# KiCad board LI-ION_Charger.kicad_pcb (continued)
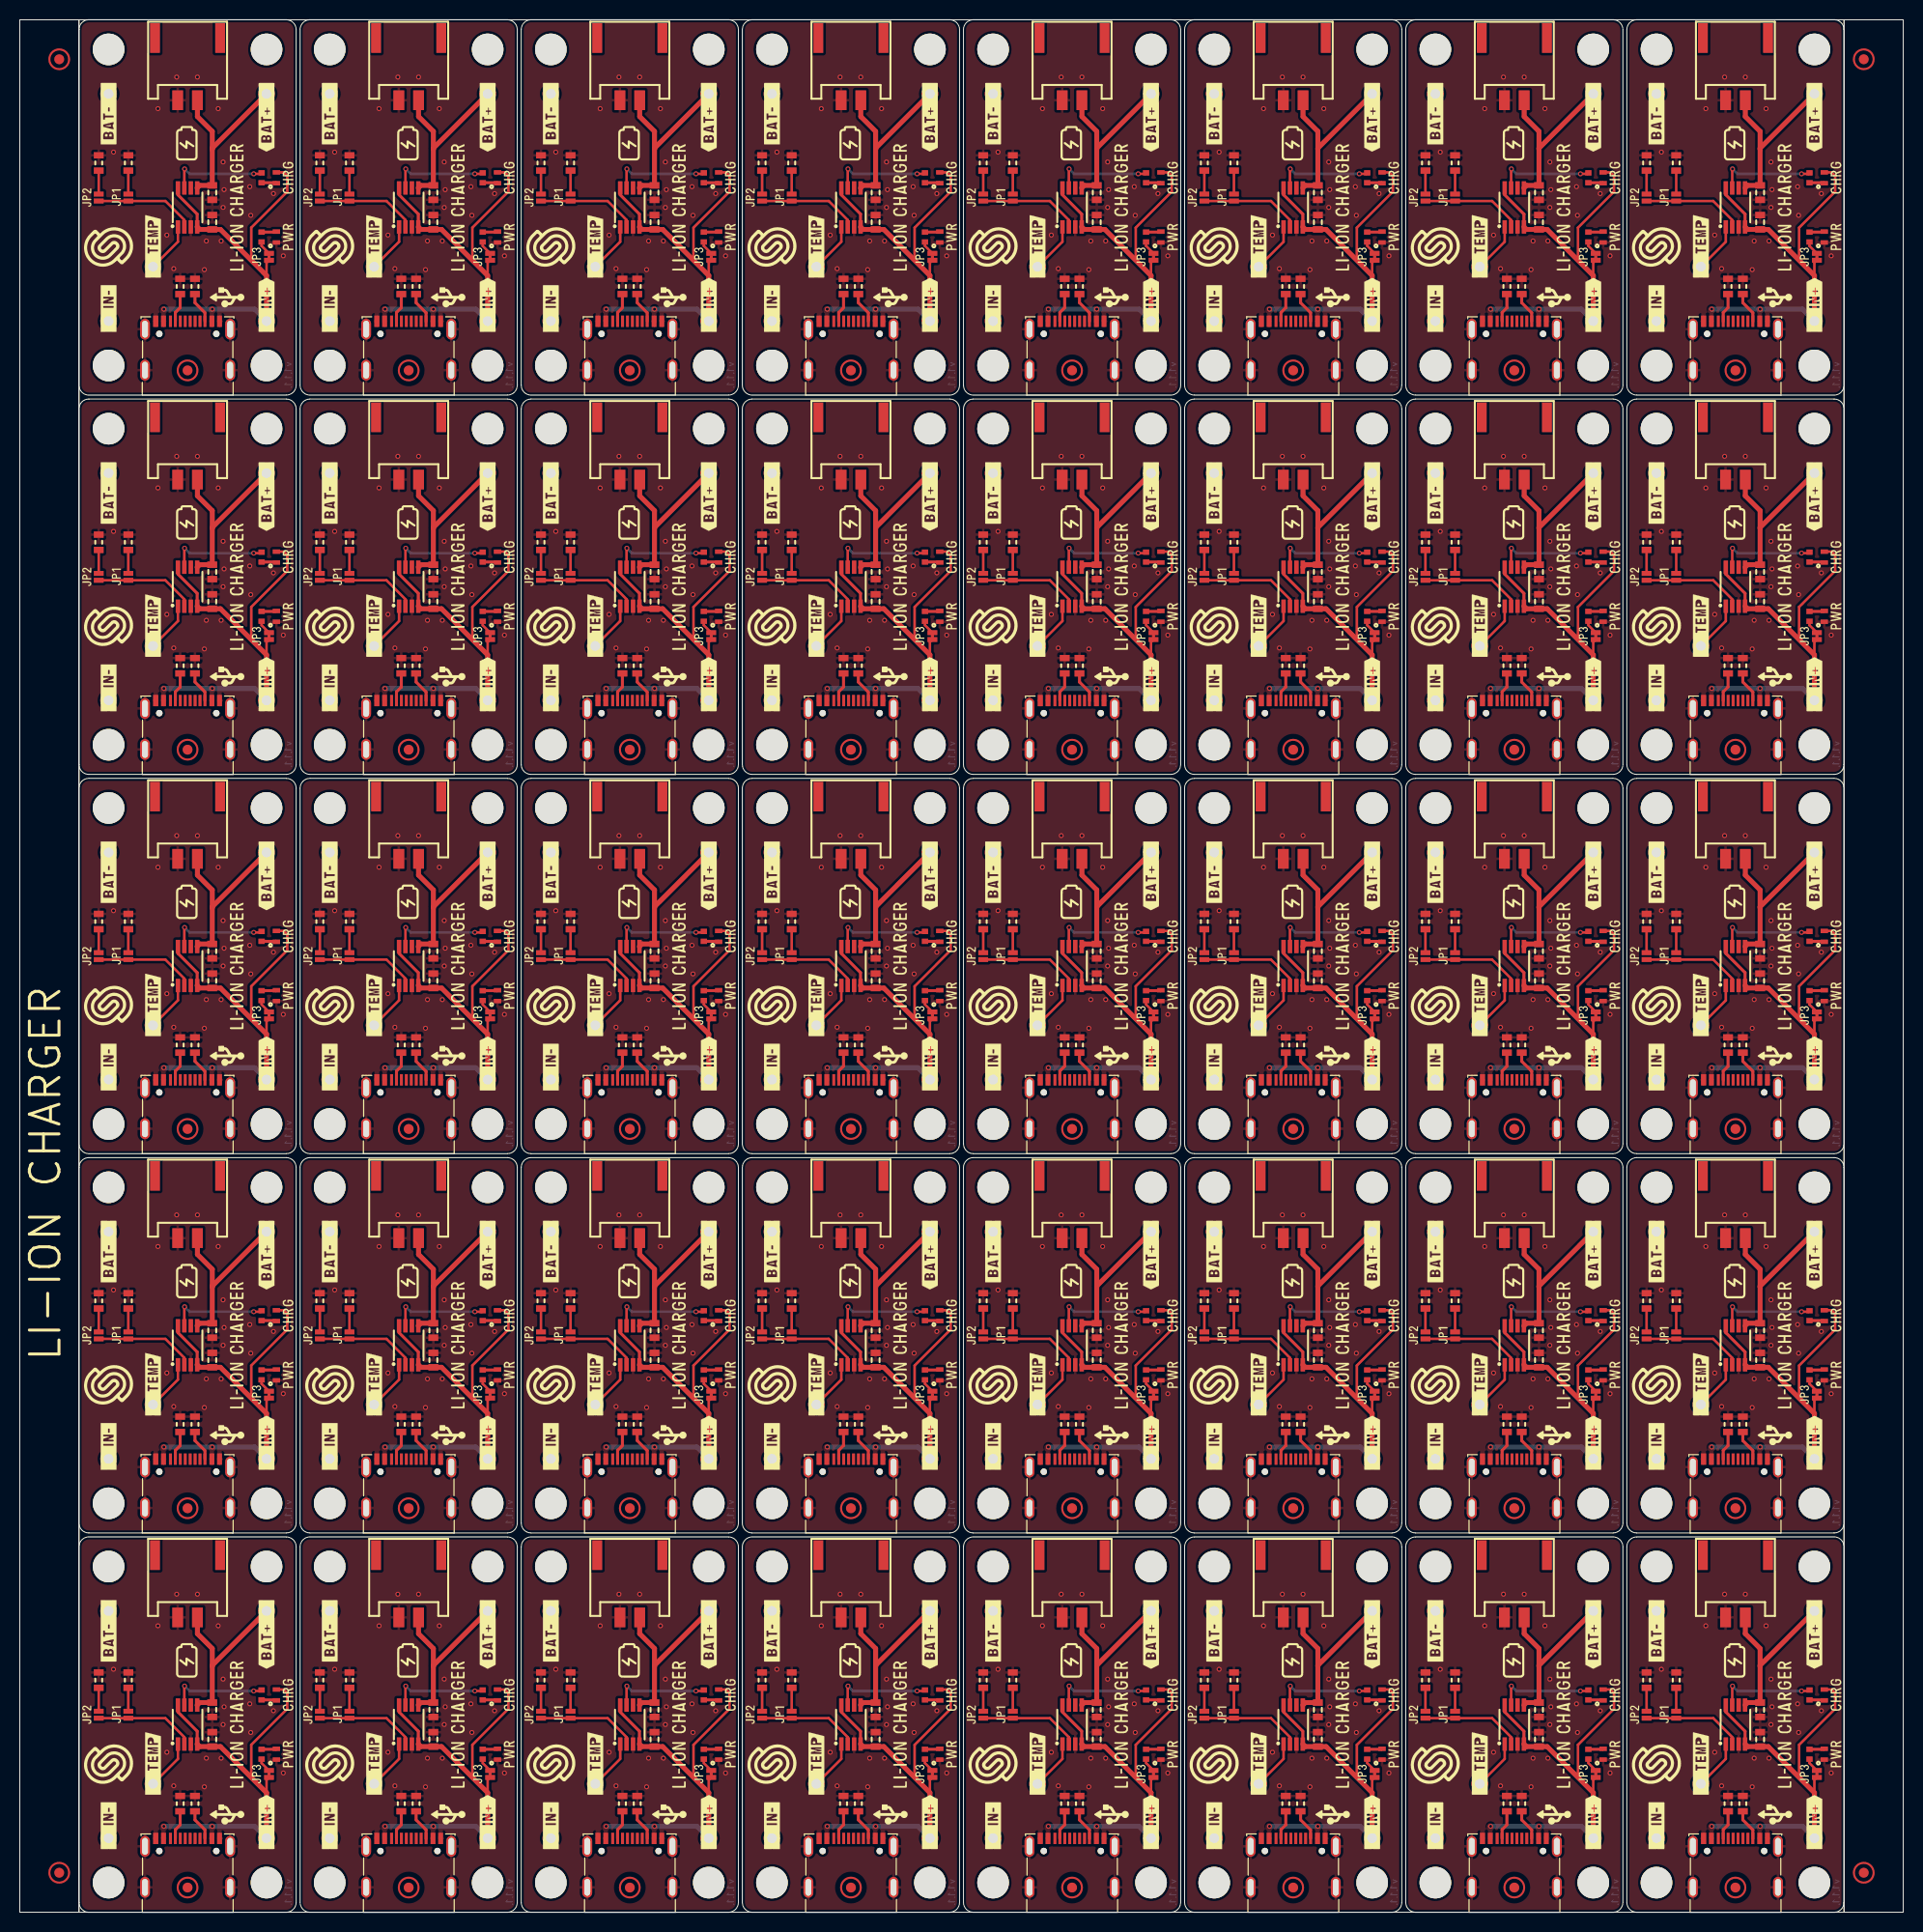
[diagram p0: board, top side]
## Placement (name value [footprint] x y rotation side) (continued)
R6#27  2k2  [0402R]  114.1 169.6 90 top
R6#28  2k2  [0402R]  69.3 131.2 90 top
R6#29  2k2  [0402R]  181.3 131.2 90 top
R6#30  2k2  [0402R]  91.7 54.4 90 top
R6#31  2k2  [0402R]  158.9 169.6 90 top
R6#32  2k2  [0402R]  114.1 131.2 90 top
R6#33  2k2  [0402R]  181.3 92.8 90 top
R6#34  2k2  [0402R]  158.9 54.4 90 top
R6#35  2k2  [0402R]  91.7 16 90 top
R6#36  2k2  [0402R]  24.5 131.2 90 top
R6#37  2k2  [0402R]  114.1 92.8 90 top
R6#38  2k2  [0402R]  181.3 54.4 90 top
R6#39  2k2  [0402R]  46.9 54.4 90 top
R6#40  2k2  [0402R]  24.5 169.6 90 top
REF**  Logo-Front-SolderedFULL-20mm  [Logo-Back-SolderedFULL-20mm]  106.6 134.2 90 top
REF**#2  Logo-Front-SolderedFULL-20mm  [Logo-Back-SolderedFULL-20mm]  84.2 134.2 90 top
REF**#3  Logo-Front-SolderedFULL-20mm  [Logo-Back-SolderedFULL-20mm]  61.8 19 90 top
REF**#4  Logo-Front-SolderedFULL-20mm  [Logo-Back-SolderedFULL-20mm]  129 95.8 90 top
REF**#5  Logo-Front-SolderedFULL-20mm  [Logo-Back-SolderedFULL-20mm]  84.2 172.6 90 top
REF**#6  Logo-Front-SolderedFULL-20mm  [Logo-Back-SolderedFULL-20mm]  151.4 172.6 90 top
REF**#7  Logo-Front-SolderedFULL-20mm  [Logo-Back-SolderedFULL-20mm]  173.8 95.8 90 top
REF**#8  Logo-Front-SolderedFULL-20mm  [Logo-Back-SolderedFULL-20mm]  84.2 57.4 90 top
REF**#9  Logo-Front-SolderedFULL-20mm  [Logo-Back-SolderedFULL-20mm]  61.8 95.8 90 top
REF**#10  Logo-Front-SolderedFULL-20mm  [Logo-Back-SolderedFULL-20mm]  61.8 172.6 90 top
REF**#11  Logo-Front-SolderedFULL-20mm  [Logo-Back-SolderedFULL-20mm]  151.4 19 90 top
REF**#12  Logo-Front-SolderedFULL-20mm  [Logo-Back-SolderedFULL-20mm]  17 172.6 90 top
REF**#13  Logo-Front-SolderedFULL-20mm  [Logo-Back-SolderedFULL-20mm]  17 19 90 top
REF**#14  Logo-Front-SolderedFULL-20mm  [Logo-Back-SolderedFULL-20mm]  39.4 134.2 90 top
REF**#15  Logo-Front-SolderedFULL-20mm  [Logo-Back-SolderedFULL-20mm]  173.8 134.2 90 top
REF**#16  Logo-Front-SolderedFULL-20mm  [Logo-Back-SolderedFULL-20mm]  173.8 19 90 top
REF**#17  Logo-Front-SolderedFULL-20mm  [Logo-Back-SolderedFULL-20mm]  151.4 95.8 90 top
REF**#18  Logo-Front-SolderedFULL-20mm  [Logo-Back-SolderedFULL-20mm]  61.8 57.4 90 top
REF**#19  Logo-Front-SolderedFULL-20mm  [Logo-Back-SolderedFULL-20mm]  84.2 95.8 90 top
REF**#20  Logo-Front-SolderedFULL-20mm  [Logo-Back-SolderedFULL-20mm]  129 57.4 90 top
REF**#21  Logo-Front-SolderedFULL-20mm  [Logo-Back-SolderedFULL-20mm]  17 134.2 90 top
REF**#22  Logo-Front-SolderedFULL-20mm  [Logo-Back-SolderedFULL-20mm]  39.4 95.8 90 top
REF**#23  Logo-Front-SolderedFULL-20mm  [Logo-Back-SolderedFULL-20mm]  151.4 134.2 90 top
REF**#24  Logo-Front-SolderedFULL-20mm  [Logo-Back-SolderedFULL-20mm]  106.6 19 90 top
REF**#25  Logo-Front-SolderedFULL-20mm  [Logo-Back-SolderedFULL-20mm]  39.4 57.4 90 top
REF**#26  Logo-Front-SolderedFULL-20mm  [Logo-Back-SolderedFULL-20mm]  129 19 90 top
REF**#27  Logo-Front-SolderedFULL-20mm  [Logo-Back-SolderedFULL-20mm]  61.8 134.2 90 top
REF**#28  Logo-Front-SolderedFULL-20mm  [Logo-Back-SolderedFULL-20mm]  173.8 57.4 90 top
REF**#29  Logo-Front-SolderedFULL-20mm  [Logo-Back-SolderedFULL-20mm]  106.6 172.6 90 top
REF**#30  Logo-Front-SolderedFULL-20mm  [Logo-Back-SolderedFULL-20mm]  39.4 172.6 90 top
REF**#31  Logo-Front-SolderedFULL-20mm  [Logo-Back-SolderedFULL-20mm]  129 172.6 90 top
REF**#32  Logo-Front-SolderedFULL-20mm  [Logo-Back-SolderedFULL-20mm]  17 57.4 90 top
REF**#33  Logo-Front-SolderedFULL-20mm  [Logo-Back-SolderedFULL-20mm]  151.4 57.4 90 top
REF**#34  Logo-Front-SolderedFULL-20mm  [Logo-Back-SolderedFULL-20mm]  39.4 19 90 top
REF**#35  Logo-Front-SolderedFULL-20mm  [Logo-Back-SolderedFULL-20mm]  106.6 95.8 90 top
REF**#36  Logo-Front-SolderedFULL-20mm  [Logo-Back-SolderedFULL-20mm]  129 134.2 90 top
REF**#37  Logo-Front-SolderedFULL-20mm  [Logo-Back-SolderedFULL-20mm]  17 95.8 90 top
REF**#38  Logo-Front-SolderedFULL-20mm  [Logo-Back-SolderedFULL-20mm]  173.8 172.6 90 top
REF**#39  Logo-Front-SolderedFULL-20mm  [Logo-Back-SolderedFULL-20mm]  106.6 57.4 90 top
REF**#40  Logo-Front-SolderedFULL-20mm  [Logo-Back-SolderedFULL-20mm]  84.2 19 90 top
REF**#41  -  [Version1.1.1.]  139.2 2 270 bottom
REF**#42  -  [Version1.1.1.]  116.8 40.4 270 bottom
REF**#43  -  [Version1.1.1.]  72 78.8 270 bottom
REF**#44  -  [Version1.1.1.]  72 117.2 270 bottom
REF**#45  -  [Version1.1.1.]  139.2 117.2 270 bottom
REF**#46  -  [Version1.1.1.]  49.6 155.6 270 bottom
REF**#47  -  [Version1.1.1.]  72 40.4 270 bottom
REF**#48  -  [Version1.1.1.]  49.6 78.8 270 bottom
REF**#49  -  [Version1.1.1.]  184 78.8 270 bottom
REF**#50  -  [Version1.1.1.]  116.8 2 270 bottom
REF**#51  -  [Version1.1.1.]  161.6 117.2 270 bottom
REF**#52  -  [Version1.1.1.]  161.6 40.4 270 bottom
REF**#53  -  [Version1.1.1.]  139.2 40.4 270 bottom
REF**#54  -  [Version1.1.1.]  184 117.2 270 bottom
REF**#55  -  [Version1.1.1.]  27.2 40.4 270 bottom
REF**#56  -  [Version1.1.1.]  161.6 78.8 270 bottom
REF**#57  -  [Version1.1.1.]  94.4 78.8 270 bottom
REF**#58  -  [Version1.1.1.]  184 2 270 bottom
REF**#59  -  [Version1.1.1.]  27.2 78.8 270 bottom
REF**#60  -  [Version1.1.1.]  161.6 2 270 bottom
REF**#61  -  [Version1.1.1.]  161.6 155.6 270 bottom
REF**#62  -  [Version1.1.1.]  27.2 2 270 bottom
REF**#63  -  [Version1.1.1.]  139.2 155.6 270 bottom
REF**#64  -  [Version1.1.1.]  139.2 78.8 270 bottom
REF**#65  -  [Version1.1.1.]  49.6 2 270 bottom
REF**#66  -  [Version1.1.1.]  72 2 270 bottom
REF**#67  -  [Version1.1.1.]  27.2 117.2 270 bottom
REF**#68  -  [Version1.1.1.]  184 40.4 270 bottom
REF**#69  -  [Version1.1.1.]  184 155.6 270 bottom
REF**#70  -  [Version1.1.1.]  116.8 117.2 270 bottom
REF**#71  -  [Version1.1.1.]  94.4 2 270 bottom
REF**#72  -  [Version1.1.1.]  94.4 40.4 270 bottom
REF**#73  -  [Version1.1.1.]  27.2 155.6 270 bottom
REF**#74  -  [Version1.1.1.]  49.6 117.2 270 bottom
REF**#75  -  [Version1.1.1.]  49.6 40.4 270 bottom
REF**#76  -  [Version1.1.1.]  94.4 155.6 270 bottom
REF**#77  -  [Version1.1.1.]  72 155.6 270 bottom
REF**#78  -  [Version1.1.1.]  94.4 117.2 270 bottom
REF**#79  -  [Version1.1.1.]  116.8 78.8 270 bottom
REF**#80  -  [Version1.1.1.]  116.8 155.6 270 bottom
U1  TP4056M  [TP4056M-MSOP8]  129 172.6 90 top
U1#2  TP4056M  [TP4056M-MSOP8]  173.8 19 90 top
U1#3  TP4056M  [TP4056M-MSOP8]  106.6 95.8 90 top
U1#4  TP4056M  [TP4056M-MSOP8]  39.4 57.4 90 top
U1#5  TP4056M  [TP4056M-MSOP8]  173.8 134.2 90 top
U1#6  TP4056M  [TP4056M-MSOP8]  17 57.4 90 top
U1#7  TP4056M  [TP4056M-MSOP8]  61.8 95.8 90 top
U1#8  TP4056M  [TP4056M-MSOP8]  151.4 95.8 90 top
U1#9  TP4056M  [TP4056M-MSOP8]  106.6 19 90 top
U1#10  TP4056M  [TP4056M-MSOP8]  17 134.2 90 top
U1#11  TP4056M  [TP4056M-MSOP8]  129 19 90 top
U1#12  TP4056M  [TP4056M-MSOP8]  173.8 95.8 90 top
U1#13  TP4056M  [TP4056M-MSOP8]  39.4 172.6 90 top
U1#14  TP4056M  [TP4056M-MSOP8]  39.4 134.2 90 top
U1#15  TP4056M  [TP4056M-MSOP8]  106.6 57.4 90 top
U1#16  TP4056M  [TP4056M-MSOP8]  151.4 19 90 top
U1#17  TP4056M  [TP4056M-MSOP8]  84.2 134.2 90 top
U1#18  TP4056M  [TP4056M-MSOP8]  106.6 134.2 90 top
U1#19  TP4056M  [TP4056M-MSOP8]  151.4 57.4 90 top
U1#20  TP4056M  [TP4056M-MSOP8]  39.4 95.8 90 top
U1#21  TP4056M  [TP4056M-MSOP8]  84.2 95.8 90 top
U1#22  TP4056M  [TP4056M-MSOP8]  61.8 172.6 90 top
U1#23  TP4056M  [TP4056M-MSOP8]  17 95.8 90 top
U1#24  TP4056M  [TP4056M-MSOP8]  17 19 90 top
U1#25  TP4056M  [TP4056M-MSOP8]  173.8 172.6 90 top
U1#26  TP4056M  [TP4056M-MSOP8]  84.2 19 90 top
U1#27  TP4056M  [TP4056M-MSOP8]  129 134.2 90 top
U1#28  TP4056M  [TP4056M-MSOP8]  61.8 134.2 90 top
U1#29  TP4056M  [TP4056M-MSOP8]  61.8 57.4 90 top
U1#30  TP4056M  [TP4056M-MSOP8]  17 172.6 90 top
U1#31  TP4056M  [TP4056M-MSOP8]  39.4 19 90 top
U1#32  TP4056M  [TP4056M-MSOP8]  106.6 172.6 90 top
U1#33  TP4056M  [TP4056M-MSOP8]  84.2 172.6 90 top
U1#34  TP4056M  [TP4056M-MSOP8]  84.2 57.4 90 top
U1#35  TP4056M  [TP4056M-MSOP8]  129 95.8 90 top
U1#36  TP4056M  [TP4056M-MSOP8]  173.8 57.4 90 top
U1#37  TP4056M  [TP4056M-MSOP8]  151.4 134.2 90 top
U1#38  TP4056M  [TP4056M-MSOP8]  61.8 19 90 top
U1#39  TP4056M  [TP4056M-MSOP8]  151.4 172.6 90 top
U1#40  TP4056M  [TP4056M-MSOP8]  129 57.4 90 top

## Footprints (pads in the part's own frame, mm; a bottom-side part is the same pattern mirrored in y, then rotated)
0402LED
  rect 0.45x0.75 smd: 1(-0.55,0) 2(0.55,0)
0402R
  rect 0.54x0.64 smd: 1(-0.5,0) 2(0.5,0)
0603C
  rect 0.66x1 smd: 1(-0.73,0) 2(0.73,0)
0603R
  rect 0.64x1 smd: 1(-0.775,0) 2(0.775,0)
FIDUCIAL_23
  round 1 smd: 1(0,0)
HEADER_MALE_1X1
  round 1.7 hole 1: 1(0,0)
HOLE_3.2mm
  round 3.2 hole 3.2 unplated: (0,0)
JST-2pin-SMD
  rect 1x3 smd: (-3.3,3.15) (3.3,3.15)
  rect 1.1x2 smd: 1(1,-3.15) 2(-1,-3.15)
SMD-JUMPER-CONNECTED_TRACE_SLODERMASK
  rect 0.5x1 smd: 1(-0.35,0) 2(0.35,0)
SMD_JUMPER
  rect 0.5x1 smd: 1(-0.35,0) 2(0.35,0)
SMD_JUMPER_CONNECTED
  rect 0.5x1 smd: 1(-0.35,0) 2(0.35,0)
TP4056M-MSOP8
  rect 1.35x0.45 smd: 1(-1.975,0.975) 2(-1.975,0.325) 3(-1.975,-0.325) 4(-1.975,-0.975) 5(1.975,-0.975) 6(1.975,-0.325) 7(1.975,0.325) 8(1.975,0.975)
U262-161N-4BVC11
  round 0.65 hole 0.65 unplated: (-2.862,1.2) (2.913,1.2)
  rect 0.3x1.15 smd: A1(-3.337,2.475) A4(-2.537,2.475) A5(-1.237,2.475) A6(-0.237,2.475) A7(0.263,2.475) A8(1.263,2.475) A9(2.563,2.475) A12(3.338,2.475) B1(3.138,2.475) B4(2.363,2.475) B5(1.763,2.475) B6(0.763,2.475) B7(-0.737,2.475) B8(-1.737,2.475) B9(-2.337,2.475) B12(-3.112,2.475)
  oval 1x2.1 hole 0.6x1.7: SH(-4.312,1.675) SH(-4.312,-2.475) SH(4.313,1.675) SH(4.313,-2.475)

## Nets
GND: C1.1 C1#2.1 C1#3.1 C1#4.1 C1#5.1 C1#6.1 C1#7.1 C1#8.1 C1#9.1 C1#10.1 C1#11.1 C1#12.1 C1#13.1 C1#14.1 C1#15.1 C1#16.1 C1#17.1 C1#18.1 C1#19.1 C1#20.1 C1#21.1 C1#22.1 C1#23.1 C1#24.1 C1#25.1 C1#26.1 C1#27.1 C1#28.1 C1#29.1 C1#30.1 C1#31.1 C1#32.1 C1#33.1 C1#34.1 C1#35.1 C1#36.1 C1#37.1 C1#38.1 C1#39.1 C1#40.1 C2.1 C2#2.1 C2#3.1 C2#4.1 C2#5.1 C2#6.1 C2#7.1 C2#8.1 C2#9.1 C2#10.1 C2#11.1 C2#12.1 C2#13.1 C2#14.1 C2#15.1 C2#16.1 C2#17.1 C2#18.1 C2#19.1 C2#20.1 C2#21.1 C2#22.1 C2#23.1 C2#24.1 C2#25.1 C2#26.1 C2#27.1 C2#28.1 C2#29.1 C2#30.1 C2#31.1 C2#32.1 C2#33.1 C2#34.1 C2#35.1 C2#36.1 C2#37.1 C2#38.1 C2#39.1 C2#40.1 D2.2 D2#2.2 D2#3.2 D2#4.2 D2#5.2 D2#6.2 D2#7.2 D2#8.2 D2#9.2 D2#10.2 D2#11.2 D2#12.2 D2#13.2 D2#14.2 D2#15.2 D2#16.2 D2#17.2 D2#18.2 D2#19.2 D2#20.2 D2#21.2 D2#22.2 D2#23.2 D2#24.2 D2#25.2 D2#26.2 D2#27.2 D2#28.2 D2#29.2 D2#30.2 D2#31.2 D2#32.2 D2#33.2 D2#34.2 D2#35.2 D2#36.2 D2#37.2 D2#38.2 D2#39.2 D2#40.2 K1.A1 K1.A12 K1.B1 K1.B12 K1.SH K1#2.A1 K1#2.A12 K1#2.B1 K1#2.B12 K1#2.SH K1#3.A1 K1#3.A12 K1#3.B1 K1#3.B12 K1#3.SH K1#4.A1 K1#4.A12 K1#4.B1 K1#4.B12 K1#4.SH K1#5.A1 K1#5.A12 K1#5.B1 K1#5.B12 K1#5.SH K1#6.A1 K1#6.A12 K1#6.B1 K1#6.B12 K1#6.SH K1#7.A1 K1#7.A12 K1#7.B1 K1#7.B12 K1#7.SH K1#8.A1 K1#8.A12 K1#8.B1 K1#8.B12 K1#8.SH K1#9.A1 K1#9.A12 K1#9.B1 K1#9.B12 K1#9.SH K1#10.A1 K1#10.A12 K1#10.B1 K1#10.B12 K1#10.SH K1#11.A1 K1#11.A12 K1#11.B1 K1#11.B12 K1#11.SH K1#12.A1 K1#12.A12 K1#12.B1 K1#12.B12 K1#12.SH K1#13.A1 K1#13.A12 K1#13.B1 K1#13.B12 K1#13.SH K1#14.A1 K1#14.A12 K1#14.B1 K1#14.B12 K1#14.SH K1#15.A1 K1#15.A12 K1#15.B1 K1#15.B12 K1#15.SH K1#16.A1 K1#16.A12 K1#16.B1 K1#16.B12 K1#16.SH K1#17.A1 K1#17.A12 K1#17.B1 K1#17.B12 K1#17.SH K1#18.A1 K1#18.A12 K1#18.B1 K1#18.B12 K1#18.SH K1#19.A1 K1#19.A12 K1#19.B1 K1#19.B12 K1#19.SH K1#20.A1 K1#20.A12 K1#20.B1 K1#20.B12 K1#20.SH K1#21.A1 K1#21.A12 K1#21.B1 K1#21.B12 K1#21.SH K1#22.A1 K1#22.A12 K1#22.B1 K1#22.B12 K1#22.SH K1#23.A1 K1#23.A12 K1#23.B1 K1#23.B12 K1#23.SH K1#24.A1 K1#24.A12 K1#24.B1 K1#24.B12 K1#24.SH K1#25.A1 K1#25.A12 K1#25.B1 K1#25.B12 K1#25.SH K1#26.A1 K1#26.A12 K1#26.B1 K1#26.B12 K1#26.SH K1#27.A1 K1#27.A12 K1#27.B1 K1#27.B12 K1#27.SH K1#28.A1 K1#28.A12 K1#28.B1 K1#28.B12 K1#28.SH K1#29.A1 K1#29.A12 K1#29.B1 K1#29.B12 K1#29.SH K1#30.A1 K1#30.A12 K1#30.B1 K1#30.B12 K1#30.SH K1#31.A1 K1#31.A12 K1#31.B1 K1#31.B12 K1#31.SH K1#32.A1 K1#32.A12 K1#32.B1 K1#32.B12 K1#32.SH K1#33.A1 K1#33.A12 K1#33.B1 K1#33.B12 K1#33.SH K1#34.A1 K1#34.A12 K1#34.B1 K1#34.B12 K1#34.SH K1#35.A1 K1#35.A12 K1#35.B1 K1#35.B12 K1#35.SH K1#36.A1 K1#36.A12 K1#36.B1 K1#36.B12 K1#36.SH K1#37.A1 K1#37.A12 K1#37.B1 K1#37.B12 K1#37.SH K1#38.A1 K1#38.A12 K1#38.B1 K1#38.B12 K1#38.SH K1#39.A1 K1#39.A12 K1#39.B1 K1#39.B12 K1#39.SH K1#40.A1 K1#40.A12 K1#40.B1 K1#40.B12 K1#40.SH K3.1 K3#2.1 K3#3.1 K3#4.1 K3#5.1 K3#6.1 K3#7.1 K3#8.1 K3#9.1 K3#10.1 K3#11.1 K3#12.1 K3#13.1 K3#14.1 K3#15.1 K3#16.1 K3#17.1 K3#18.1 K3#19.1 K3#20.1 K3#21.1 K3#22.1 K3#23.1 K3#24.1 K3#25.1 K3#26.1 K3#27.1 K3#28.1 K3#29.1 K3#30.1 K3#31.1 K3#32.1 K3#33.1 K3#34.1 K3#35.1 K3#36.1 K3#37.1 K3#38.1 K3#39.1 K3#40.1 K6.1 K6#2.1 K6#3.1 K6#4.1 K6#5.1 K6#6.1 K6#7.1 K6#8.1 K6#9.1 K6#10.1 K6#11.1 K6#12.1 K6#13.1 K6#14.1 K6#15.1 K6#16.1 K6#17.1 K6#18.1 K6#19.1 K6#20.1 K6#21.1 K6#22.1 K6#23.1 K6#24.1 K6#25.1 K6#26.1 K6#27.1 K6#28.1 K6#29.1 K6#30.1 K6#31.1 K6#32.1 K6#33.1 K6#34.1 K6#35.1 K6#36.1 K6#37.1 K6#38.1 K6#39.1 K6#40.1 K7.2 K7#2.2 K7#3.2 K7#4.2 K7#5.2 K7#6.2 K7#7.2 K7#8.2 K7#9.2 K7#10.2 K7#11.2 K7#12.2 K7#13.2 K7#14.2 K7#15.2 K7#16.2 K7#17.2 K7#18.2 K7#19.2 K7#20.2 K7#21.2 K7#22.2 K7#23.2 K7#24.2 K7#25.2 K7#26.2 K7#27.2 K7#28.2 K7#29.2 K7#30.2 K7#31.2 K7#32.2 K7#33.2 K7#34.2 K7#35.2 K7#36.2 K7#37.2 K7#38.2 K7#39.2 K7#40.2 R1.2 R1#2.2 R1#3.2 R1#4.2 R1#5.2 R1#6.2 R1#7.2 R1#8.2 R1#9.2 R1#10.2 R1#11.2 R1#12.2 R1#13.2 R1#14.2 R1#15.2 R1#16.2 R1#17.2 R1#18.2 R1#19.2 R1#20.2 R1#21.2 R1#22.2 R1#23.2 R1#24.2 R1#25.2 R1#26.2 R1#27.2 R1#28.2 R1#29.2 R1#30.2 R1#31.2 R1#32.2 R1#33.2 R1#34.2 R1#35.2 R1#36.2 R1#37.2 R1#38.2 R1#39.2 R1#40.2 R2.2 R2#2.2 R2#3.2 R2#4.2 R2#5.2 R2#6.2 R2#7.2 R2#8.2 R2#9.2 R2#10.2 R2#11.2 R2#12.2 R2#13.2 R2#14.2 R2#15.2 R2#16.2 R2#17.2 R2#18.2 R2#19.2 R2#20.2 R2#21.2 R2#22.2 R2#23.2 R2#24.2 R2#25.2 R2#26.2 R2#27.2 R2#28.2 R2#29.2 R2#30.2 R2#31.2 R2#32.2 R2#33.2 R2#34.2 R2#35.2 R2#36.2 R2#37.2 R2#38.2 R2#39.2 R2#40.2 R3.1 R3#2.1 R3#3.1 R3#4.1 R3#5.1 R3#6.1 R3#7.1 R3#8.1 R3#9.1 R3#10.1 R3#11.1 R3#12.1 R3#13.1 R3#14.1 R3#15.1 R3#16.1 R3#17.1 R3#18.1 R3#19.1 R3#20.1 R3#21.1 R3#22.1 R3#23.1 R3#24.1 R3#25.1 R3#26.1 R3#27.1 R3#28.1 R3#29.1 R3#30.1 R3#31.1 R3#32.1 R3#33.1 R3#34.1 R3#35.1 R3#36.1 R3#37.1 R3#38.1 R3#39.1 R3#40.1 R4.1 R4#2.1 R4#3.1 R4#4.1 R4#5.1 R4#6.1 R4#7.1 R4#8.1 R4#9.1 R4#10.1 R4#11.1 R4#12.1 R4#13.1 R4#14.1 R4#15.1 R4#16.1 R4#17.1 R4#18.1 R4#19.1 R4#20.1 R4#21.1 R4#22.1 R4#23.1 R4#24.1 R4#25.1 R4#26.1 R4#27.1 R4#28.1 R4#29.1 R4#30.1 R4#31.1 R4#32.1 R4#33.1 R4#34.1 R4#35.1 R4#36.1 R4#37.1 R4#38.1 R4#39.1 R4#40.1 U1.3 U1#2.3 U1#3.3 U1#4.3 U1#5.3 U1#6.3 U1#7.3 U1#8.3 U1#9.3 U1#10.3 U1#11.3 U1#12.3 U1#13.3 U1#14.3 U1#15.3 U1#16.3 U1#17.3 U1#18.3 U1#19.3 U1#20.3 U1#21.3 U1#22.3 U1#23.3 U1#24.3 U1#25.3 U1#26.3 U1#27.3 U1#28.3 U1#29.3 U1#30.3 U1#31.3 U1#32.3 U1#33.3 U1#34.3 U1#35.3 U1#36.3 U1#37.3 U1#38.3 U1#39.3 U1#40.3
VBAT: C2.2 C2#2.2 C2#3.2 C2#4.2 C2#5.2 C2#6.2 C2#7.2 C2#8.2 C2#9.2 C2#10.2 C2#11.2 C2#12.2 C2#13.2 C2#14.2 C2#15.2 C2#16.2 C2#17.2 C2#18.2 C2#19.2 C2#20.2 C2#21.2 C2#22.2 C2#23.2 C2#24.2 C2#25.2 C2#26.2 C2#27.2 C2#28.2 C2#29.2 C2#30.2 C2#31.2 C2#32.2 C2#33.2 C2#34.2 C2#35.2 C2#36.2 C2#37.2 C2#38.2 C2#39.2 C2#40.2 K5.1 K5#2.1 K5#3.1 K5#4.1 K5#5.1 K5#6.1 K5#7.1 K5#8.1 K5#9.1 K5#10.1 K5#11.1 K5#12.1 K5#13.1 K5#14.1 K5#15.1 K5#16.1 K5#17.1 K5#18.1 K5#19.1 K5#20.1 K5#21.1 K5#22.1 K5#23.1 K5#24.1 K5#25.1 K5#26.1 K5#27.1 K5#28.1 K5#29.1 K5#30.1 K5#31.1 K5#32.1 K5#33.1 K5#34.1 K5#35.1 K5#36.1 K5#37.1 K5#38.1 K5#39.1 K5#40.1 K7.1 K7#2.1 K7#3.1 K7#4.1 K7#5.1 K7#6.1 K7#7.1 K7#8.1 K7#9.1 K7#10.1 K7#11.1 K7#12.1 K7#13.1 K7#14.1 K7#15.1 K7#16.1 K7#17.1 K7#18.1 K7#19.1 K7#20.1 K7#21.1 K7#22.1 K7#23.1 K7#24.1 K7#25.1 K7#26.1 K7#27.1 K7#28.1 K7#29.1 K7#30.1 K7#31.1 K7#32.1 K7#33.1 K7#34.1 K7#35.1 K7#36.1 K7#37.1 K7#38.1 K7#39.1 K7#40.1 U1.5 U1#2.5 U1#3.5 U1#4.5 U1#5.5 U1#6.5 U1#7.5 U1#8.5 U1#9.5 U1#10.5 U1#11.5 U1#12.5 U1#13.5 U1#14.5 U1#15.5 U1#16.5 U1#17.5 U1#18.5 U1#19.5 U1#20.5 U1#21.5 U1#22.5 U1#23.5 U1#24.5 U1#25.5 U1#26.5 U1#27.5 U1#28.5 U1#29.5 U1#30.5 U1#31.5 U1#32.5 U1#33.5 U1#34.5 U1#35.5 U1#36.5 U1#37.5 U1#38.5 U1#39.5 U1#40.5
PROG: JP1.2 JP1#2.2 JP1#3.2 JP1#4.2 JP1#5.2 JP1#6.2 JP1#7.2 JP1#8.2 JP1#9.2 JP1#10.2 JP1#11.2 JP1#12.2 JP1#13.2 JP1#14.2 JP1#15.2 JP1#16.2 JP1#17.2 JP1#18.2 JP1#19.2 JP1#20.2 JP1#21.2 JP1#22.2 JP1#23.2 JP1#24.2 JP1#25.2 JP1#26.2 JP1#27.2 JP1#28.2 JP1#29.2 JP1#30.2 JP1#31.2 JP1#32.2 JP1#33.2 JP1#34.2 JP1#35.2 JP1#36.2 JP1#37.2 JP1#38.2 JP1#39.2 JP1#40.2 JP2.2 JP2#2.2 JP2#3.2 JP2#4.2 JP2#5.2 JP2#6.2 JP2#7.2 JP2#8.2 JP2#9.2 JP2#10.2 JP2#11.2 JP2#12.2 JP2#13.2 JP2#14.2 JP2#15.2 JP2#16.2 JP2#17.2 JP2#18.2 JP2#19.2 JP2#20.2 JP2#21.2 JP2#22.2 JP2#23.2 JP2#24.2 JP2#25.2 JP2#26.2 JP2#27.2 JP2#28.2 JP2#29.2 JP2#30.2 JP2#31.2 JP2#32.2 JP2#33.2 JP2#34.2 JP2#35.2 JP2#36.2 JP2#37.2 JP2#38.2 JP2#39.2 JP2#40.2 U1.2 U1#2.2 U1#3.2 U1#4.2 U1#5.2 U1#6.2 U1#7.2 U1#8.2 U1#9.2 U1#10.2 U1#11.2 U1#12.2 U1#13.2 U1#14.2 U1#15.2 U1#16.2 U1#17.2 U1#18.2 U1#19.2 U1#20.2 U1#21.2 U1#22.2 U1#23.2 U1#24.2 U1#25.2 U1#26.2 U1#27.2 U1#28.2 U1#29.2 U1#30.2 U1#31.2 U1#32.2 U1#33.2 U1#34.2 U1#35.2 U1#36.2 U1#37.2 U1#38.2 U1#39.2 U1#40.2
TEMP: K4.1 K4#2.1 K4#3.1 K4#4.1 K4#5.1 K4#6.1 K4#7.1 K4#8.1 K4#9.1 K4#10.1 K4#11.1 K4#12.1 K4#13.1 K4#14.1 K4#15.1 K4#16.1 K4#17.1 K4#18.1 K4#19.1 K4#20.1 K4#21.1 K4#22.1 K4#23.1 K4#24.1 K4#25.1 K4#26.1 K4#27.1 K4#28.1 K4#29.1 K4#30.1 K4#31.1 K4#32.1 K4#33.1 K4#34.1 K4#35.1 K4#36.1 K4#37.1 K4#38.1 K4#39.1 K4#40.1 U1.1 U1#2.1 U1#3.1 U1#4.1 U1#5.1 U1#6.1 U1#7.1 U1#8.1 U1#9.1 U1#10.1 U1#11.1 U1#12.1 U1#13.1 U1#14.1 U1#15.1 U1#16.1 U1#17.1 U1#18.1 U1#19.1 U1#20.1 U1#21.1 U1#22.1 U1#23.1 U1#24.1 U1#25.1 U1#26.1 U1#27.1 U1#28.1 U1#29.1 U1#30.1 U1#31.1 U1#32.1 U1#33.1 U1#34.1 U1#35.1 U1#36.1 U1#37.1 U1#38.1 U1#39.1 U1#40.1
VUSB: C1.2 C1#2.2 C1#3.2 C1#4.2 C1#5.2 C1#6.2 C1#7.2 C1#8.2 C1#9.2 C1#10.2 C1#11.2 C1#12.2 C1#13.2 C1#14.2 C1#15.2 C1#16.2 C1#17.2 C1#18.2 C1#19.2 C1#20.2 C1#21.2 C1#22.2 C1#23.2 C1#24.2 C1#25.2 C1#26.2 C1#27.2 C1#28.2 C1#29.2 C1#30.2 C1#31.2 C1#32.2 C1#33.2 C1#34.2 C1#35.2 C1#36.2 C1#37.2 C1#38.2 C1#39.2 C1#40.2 D1.1 D1#2.1 D1#3.1 D1#4.1 D1#5.1 D1#6.1 D1#7.1 D1#8.1 D1#9.1 D1#10.1 D1#11.1 D1#12.1 D1#13.1 D1#14.1 D1#15.1 D1#16.1 D1#17.1 D1#18.1 D1#19.1 D1#20.1 D1#21.1 D1#22.1 D1#23.1 D1#24.1 D1#25.1 D1#26.1 D1#27.1 D1#28.1 D1#29.1 D1#30.1 D1#31.1 D1#32.1 D1#33.1 D1#34.1 D1#35.1 D1#36.1 D1#37.1 D1#38.1 D1#39.1 D1#40.1 JP3.1 JP3#2.1 JP3#3.1 JP3#4.1 JP3#5.1 JP3#6.1 JP3#7.1 JP3#8.1 JP3#9.1 JP3#10.1 JP3#11.1 JP3#12.1 JP3#13.1 JP3#14.1 JP3#15.1 JP3#16.1 JP3#17.1 JP3#18.1 JP3#19.1 JP3#20.1 JP3#21.1 JP3#22.1 JP3#23.1 JP3#24.1 JP3#25.1 JP3#26.1 JP3#27.1 JP3#28.1 JP3#29.1 JP3#30.1 JP3#31.1 JP3#32.1 JP3#33.1 JP3#34.1 JP3#35.1 JP3#36.1 JP3#37.1 JP3#38.1 JP3#39.1 JP3#40.1 K1.A4 K1.A9 K1.B4 K1.B9 K1#2.A4 K1#2.A9 K1#2.B4 K1#2.B9 K1#3.A4 K1#3.A9 K1#3.B4 K1#3.B9 K1#4.A4 K1#4.A9 K1#4.B4 K1#4.B9 K1#5.A4 K1#5.A9 K1#5.B4 K1#5.B9 K1#6.A4 K1#6.A9 K1#6.B4 K1#6.B9 K1#7.A4 K1#7.A9 K1#7.B4 K1#7.B9 K1#8.A4 K1#8.A9 K1#8.B4 K1#8.B9 K1#9.A4 K1#9.A9 K1#9.B4 K1#9.B9 K1#10.A4 K1#10.A9 K1#10.B4 K1#10.B9 K1#11.A4 K1#11.A9 K1#11.B4 K1#11.B9 K1#12.A4 K1#12.A9 K1#12.B4 K1#12.B9 K1#13.A4 K1#13.A9 K1#13.B4 K1#13.B9 K1#14.A4 K1#14.A9 K1#14.B4 K1#14.B9 K1#15.A4 K1#15.A9 K1#15.B4 K1#15.B9 K1#16.A4 K1#16.A9 K1#16.B4 K1#16.B9 K1#17.A4 K1#17.A9 K1#17.B4 K1#17.B9 K1#18.A4 K1#18.A9 K1#18.B4 K1#18.B9 K1#19.A4 K1#19.A9 K1#19.B4 K1#19.B9 K1#20.A4 K1#20.A9 K1#20.B4 K1#20.B9 K1#21.A4 K1#21.A9 K1#21.B4 K1#21.B9 K1#22.A4 K1#22.A9 K1#22.B4 K1#22.B9 K1#23.A4 K1#23.A9 K1#23.B4 K1#23.B9 K1#24.A4 K1#24.A9 K1#24.B4 K1#24.B9 K1#25.A4 K1#25.A9 K1#25.B4 K1#25.B9 K1#26.A4 K1#26.A9 K1#26.B4 K1#26.B9 K1#27.A4 K1#27.A9 K1#27.B4 K1#27.B9 K1#28.A4 K1#28.A9 K1#28.B4 K1#28.B9 K1#29.A4 K1#29.A9 K1#29.B4 K1#29.B9 K1#30.A4 K1#30.A9 K1#30.B4 K1#30.B9 K1#31.A4 K1#31.A9 K1#31.B4 K1#31.B9 K1#32.A4 K1#32.A9 K1#32.B4 K1#32.B9 K1#33.A4 K1#33.A9 K1#33.B4 K1#33.B9 K1#34.A4 K1#34.A9 K1#34.B4 K1#34.B9 K1#35.A4 K1#35.A9 K1#35.B4 K1#35.B9 K1#36.A4 K1#36.A9 K1#36.B4 K1#36.B9 K1#37.A4 K1#37.A9 K1#37.B4 K1#37.B9 K1#38.A4 K1#38.A9 K1#38.B4 K1#38.B9 K1#39.A4 K1#39.A9 K1#39.B4 K1#39.B9 K1#40.A4 K1#40.A9 K1#40.B4 K1#40.B9 K2.1 K2#2.1 K2#3.1 K2#4.1 K2#5.1 K2#6.1 K2#7.1 K2#8.1 K2#9.1 K2#10.1 K2#11.1 K2#12.1 K2#13.1 K2#14.1 K2#15.1 K2#16.1 K2#17.1 K2#18.1 K2#19.1 K2#20.1 K2#21.1 K2#22.1 K2#23.1 K2#24.1 K2#25.1 K2#26.1 K2#27.1 K2#28.1 K2#29.1 K2#30.1 K2#31.1 K2#32.1 K2#33.1 K2#34.1 K2#35.1 K2#36.1 K2#37.1 K2#38.1 K2#39.1 K2#40.1 U1.4 U1.8 U1#2.4 U1#2.8 U1#3.4 U1#3.8 U1#4.4 U1#4.8 U1#5.4 U1#5.8 U1#6.4 U1#6.8 U1#7.4 U1#7.8 U1#8.4 U1#8.8 U1#9.4 U1#9.8 U1#10.4 U1#10.8 U1#11.4 U1#11.8 U1#12.4 U1#12.8 U1#13.4 U1#13.8 U1#14.4 U1#14.8 U1#15.4 U1#15.8 U1#16.4 U1#16.8 U1#17.4 U1#17.8 U1#18.4 U1#18.8 U1#19.4 U1#19.8 U1#20.4 U1#20.8 U1#21.4 U1#21.8 U1#22.4 U1#22.8 U1#23.4 U1#23.8 U1#24.4 U1#24.8 U1#25.4 U1#25.8 U1#26.4 U1#26.8 U1#27.4 U1#27.8 U1#28.4 U1#28.8 U1#29.4 U1#29.8 U1#30.4 U1#30.8 U1#31.4 U1#31.8 U1#32.4 U1#32.8 U1#33.4 U1#33.8 U1#34.4 U1#34.8 U1#35.4 U1#35.8 U1#36.4 U1#36.8 U1#37.4 U1#37.8 U1#38.4 U1#38.8 U1#39.4 U1#39.8 U1#40.4 U1#40.8
Net-(D1-Pad2): D1.2 D1#2.2 D1#3.2 D1#4.2 D1#5.2 D1#6.2 D1#7.2 D1#8.2 D1#9.2 D1#10.2 D1#11.2 D1#12.2 D1#13.2 D1#14.2 D1#15.2 D1#16.2 D1#17.2 D1#18.2 D1#19.2 D1#20.2 D1#21.2 D1#22.2 D1#23.2 D1#24.2 D1#25.2 D1#26.2 D1#27.2 D1#28.2 D1#29.2 D1#30.2 D1#31.2 D1#32.2 D1#33.2 D1#34.2 D1#35.2 D1#36.2 D1#37.2 D1#38.2 D1#39.2 D1#40.2 R5.2 R5#2.2 R5#3.2 R5#4.2 R5#5.2 R5#6.2 R5#7.2 R5#8.2 R5#9.2 R5#10.2 R5#11.2 R5#12.2 R5#13.2 R5#14.2 R5#15.2 R5#16.2 R5#17.2 R5#18.2 R5#19.2 R5#20.2 R5#21.2 R5#22.2 R5#23.2 R5#24.2 R5#25.2 R5#26.2 R5#27.2 R5#28.2 R5#29.2 R5#30.2 R5#31.2 R5#32.2 R5#33.2 R5#34.2 R5#35.2 R5#36.2 R5#37.2 R5#38.2 R5#39.2 R5#40.2
Net-(D2-Pad1): D2.1 D2#2.1 D2#3.1 D2#4.1 D2#5.1 D2#6.1 D2#7.1 D2#8.1 D2#9.1 D2#10.1 D2#11.1 D2#12.1 D2#13.1 D2#14.1 D2#15.1 D2#16.1 D2#17.1 D2#18.1 D2#19.1 D2#20.1 D2#21.1 D2#22.1 D2#23.1 D2#24.1 D2#25.1 D2#26.1 D2#27.1 D2#28.1 D2#29.1 D2#30.1 D2#31.1 D2#32.1 D2#33.1 D2#34.1 D2#35.1 D2#36.1 D2#37.1 D2#38.1 D2#39.1 D2#40.1 R6.2 R6#2.2 R6#3.2 R6#4.2 R6#5.2 R6#6.2 R6#7.2 R6#8.2 R6#9.2 R6#10.2 R6#11.2 R6#12.2 R6#13.2 R6#14.2 R6#15.2 R6#16.2 R6#17.2 R6#18.2 R6#19.2 R6#20.2 R6#21.2 R6#22.2 R6#23.2 R6#24.2 R6#25.2 R6#26.2 R6#27.2 R6#28.2 R6#29.2 R6#30.2 R6#31.2 R6#32.2 R6#33.2 R6#34.2 R6#35.2 R6#36.2 R6#37.2 R6#38.2 R6#39.2 R6#40.2
Net-(JP1-Pad1): JP1.1 JP1#2.1 JP1#3.1 JP1#4.1 JP1#5.1 JP1#6.1 JP1#7.1 JP1#8.1 JP1#9.1 JP1#10.1 JP1#11.1 JP1#12.1 JP1#13.1 JP1#14.1 JP1#15.1 JP1#16.1 JP1#17.1 JP1#18.1 JP1#19.1 JP1#20.1 JP1#21.1 JP1#22.1 JP1#23.1 JP1#24.1 JP1#25.1 JP1#26.1 JP1#27.1 JP1#28.1 JP1#29.1 JP1#30.1 JP1#31.1 JP1#32.1 JP1#33.1 JP1#34.1 JP1#35.1 JP1#36.1 JP1#37.1 JP1#38.1 JP1#39.1 JP1#40.1 R3.2 R3#2.2 R3#3.2 R3#4.2 R3#5.2 R3#6.2 R3#7.2 R3#8.2 R3#9.2 R3#10.2 R3#11.2 R3#12.2 R3#13.2 R3#14.2 R3#15.2 R3#16.2 R3#17.2 R3#18.2 R3#19.2 R3#20.2 R3#21.2 R3#22.2 R3#23.2 R3#24.2 R3#25.2 R3#26.2 R3#27.2 R3#28.2 R3#29.2 R3#30.2 R3#31.2 R3#32.2 R3#33.2 R3#34.2 R3#35.2 R3#36.2 R3#37.2 R3#38.2 R3#39.2 R3#40.2
Net-(JP2-Pad1): JP2.1 JP2#2.1 JP2#3.1 JP2#4.1 JP2#5.1 JP2#6.1 JP2#7.1 JP2#8.1 JP2#9.1 JP2#10.1 JP2#11.1 JP2#12.1 JP2#13.1 JP2#14.1 JP2#15.1 JP2#16.1 JP2#17.1 JP2#18.1 JP2#19.1 JP2#20.1 JP2#21.1 JP2#22.1 JP2#23.1 JP2#24.1 JP2#25.1 JP2#26.1 JP2#27.1 JP2#28.1 JP2#29.1 JP2#30.1 JP2#31.1 JP2#32.1 JP2#33.1 JP2#34.1 JP2#35.1 JP2#36.1 JP2#37.1 JP2#38.1 JP2#39.1 JP2#40.1 R4.2 R4#2.2 R4#3.2 R4#4.2 R4#5.2 R4#6.2 R4#7.2 R4#8.2 R4#9.2 R4#10.2 R4#11.2 R4#12.2 R4#13.2 R4#14.2 R4#15.2 R4#16.2 R4#17.2 R4#18.2 R4#19.2 R4#20.2 R4#21.2 R4#22.2 R4#23.2 R4#24.2 R4#25.2 R4#26.2 R4#27.2 R4#28.2 R4#29.2 R4#30.2 R4#31.2 R4#32.2 R4#33.2 R4#34.2 R4#35.2 R4#36.2 R4#37.2 R4#38.2 R4#39.2 R4#40.2
Net-(JP3-Pad2): JP3.2 JP3#2.2 JP3#3.2 JP3#4.2 JP3#5.2 JP3#6.2 JP3#7.2 JP3#8.2 JP3#9.2 JP3#10.2 JP3#11.2 JP3#12.2 JP3#13.2 JP3#14.2 JP3#15.2 JP3#16.2 JP3#17.2 JP3#18.2 JP3#19.2 JP3#20.2 JP3#21.2 JP3#22.2 JP3#23.2 JP3#24.2 JP3#25.2 JP3#26.2 JP3#27.2 JP3#28.2 JP3#29.2 JP3#30.2 JP3#31.2 JP3#32.2 JP3#33.2 JP3#34.2 JP3#35.2 JP3#36.2 JP3#37.2 JP3#38.2 JP3#39.2 JP3#40.2 R6.1 R6#2.1 R6#3.1 R6#4.1 R6#5.1 R6#6.1 R6#7.1 R6#8.1 R6#9.1 R6#10.1 R6#11.1 R6#12.1 R6#13.1 R6#14.1 R6#15.1 R6#16.1 R6#17.1 R6#18.1 R6#19.1 R6#20.1 R6#21.1 R6#22.1 R6#23.1 R6#24.1 R6#25.1 R6#26.1 R6#27.1 R6#28.1 R6#29.1 R6#30.1 R6#31.1 R6#32.1 R6#33.1 R6#34.1 R6#35.1 R6#36.1 R6#37.1 R6#38.1 R6#39.1 R6#40.1
Net-(K1-PadA5): K1.A5 K1#2.A5 K1#3.A5 K1#4.A5 K1#5.A5 K1#6.A5 K1#7.A5 K1#8.A5 K1#9.A5 K1#10.A5 K1#11.A5 K1#12.A5 K1#13.A5 K1#14.A5 K1#15.A5 K1#16.A5 K1#17.A5 K1#18.A5 K1#19.A5 K1#20.A5 K1#21.A5 K1#22.A5 K1#23.A5 K1#24.A5 K1#25.A5 K1#26.A5 K1#27.A5 K1#28.A5 K1#29.A5 K1#30.A5 K1#31.A5 K1#32.A5 K1#33.A5 K1#34.A5 K1#35.A5 K1#36.A5 K1#37.A5 K1#38.A5 K1#39.A5 K1#40.A5 R2.1 R2#2.1 R2#3.1 R2#4.1 R2#5.1 R2#6.1 R2#7.1 R2#8.1 R2#9.1 R2#10.1 R2#11.1 R2#12.1 R2#13.1 R2#14.1 R2#15.1 R2#16.1 R2#17.1 R2#18.1 R2#19.1 R2#20.1 R2#21.1 R2#22.1 R2#23.1 R2#24.1 R2#25.1 R2#26.1 R2#27.1 R2#28.1 R2#29.1 R2#30.1 R2#31.1 R2#32.1 R2#33.1 R2#34.1 R2#35.1 R2#36.1 R2#37.1 R2#38.1 R2#39.1 R2#40.1
